# Altium PCB AMS_Master_A1.PcbDoc (part 1 of 2) (continued)
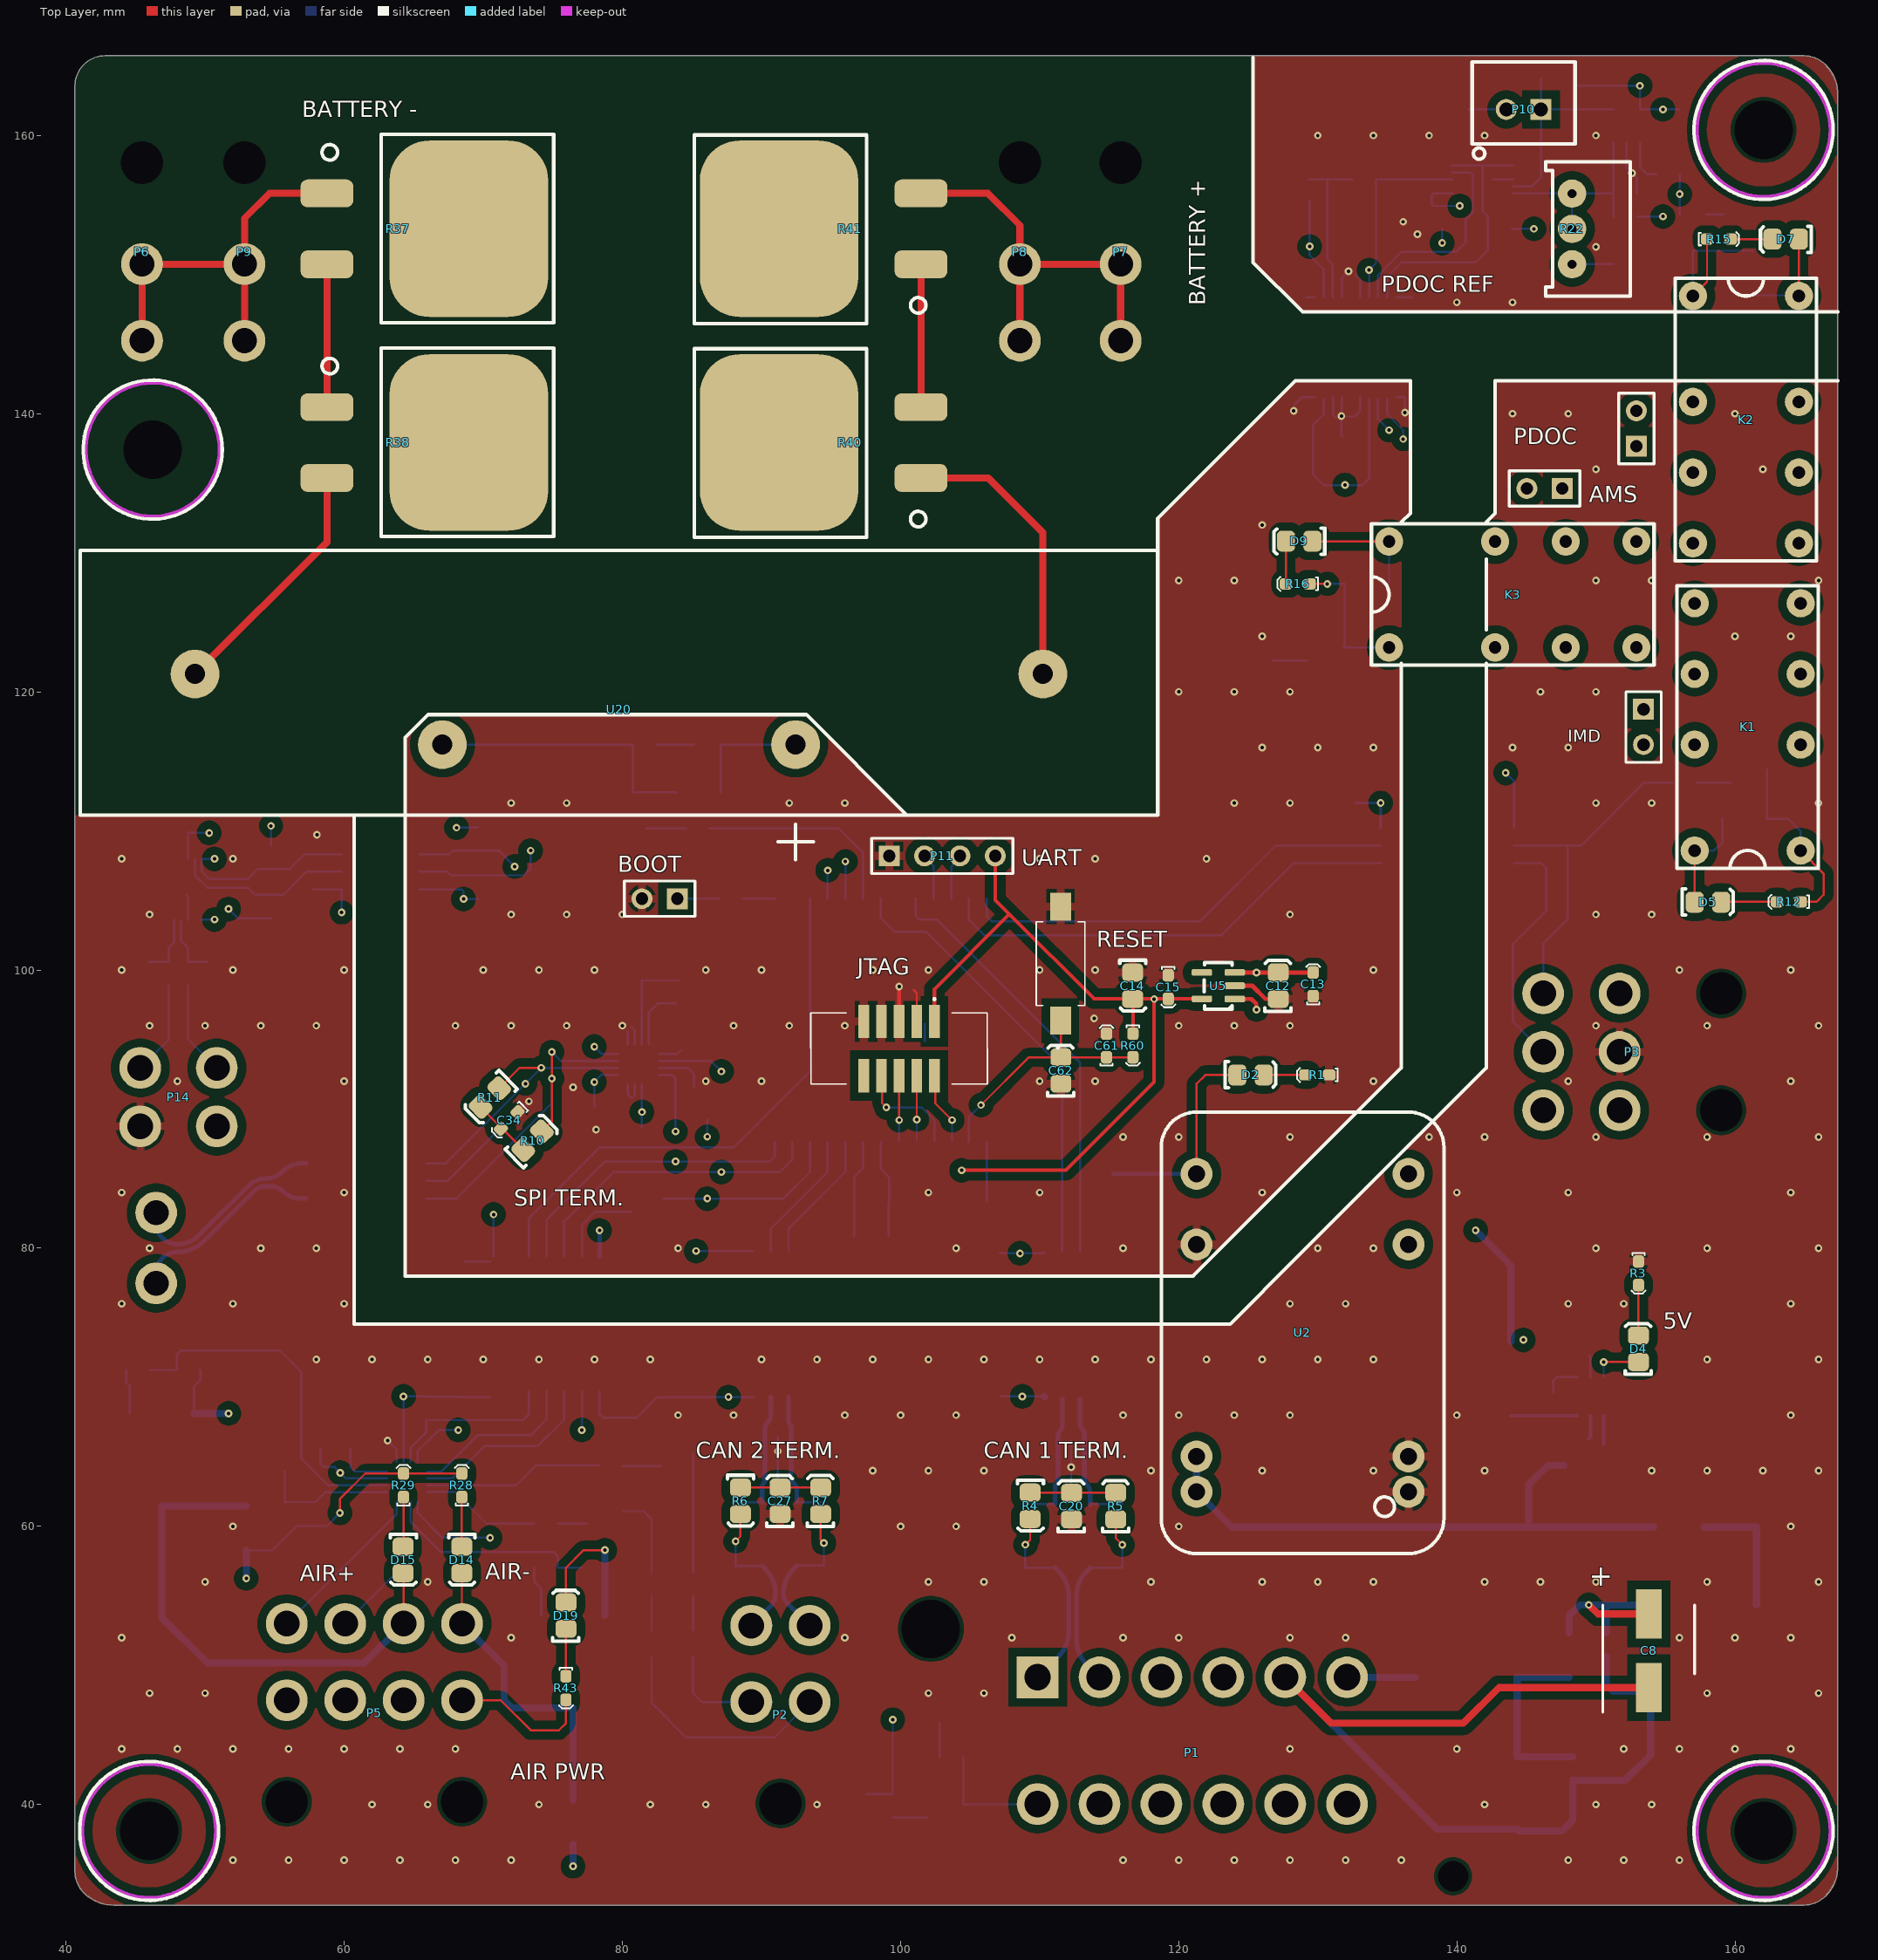
[diagram p0: Top Layer view]
## Components (designator, comment, footprint, x,y, rotation, side; value= is the part's Value field where it differs from the comment) (continued)
PDOC "2.54mm" "TH 2.54mm Header 1x2" 152.908,137.668 r90 top
Q1 "SQ2308CES-T1_GE3" "VSHY SOT-23-3" 161.006,114.427 r0 bottom
Q2 "SQ2308CES-T1_GE3" "VSHY SOT-23-3" 156.972,153.035 r270 bottom
Q3 "SQ2308CES-T1_GE3" "VSHY SOT-23-3" 130.556,123.19 r0 bottom
Q4 "STD70N10F4" "STM TO-252 MOSFET" 76.49,46.594 r180 bottom
Q5 "STD70N10F4" "STM TO-252 MOSFET" 46.94,61.118 r180 bottom
Q6 "SQ2308CES-T1_GE3" "VSHY SOT-23-3" 103.251,40.005 r0 bottom
Q7 "SQ2308CES-T1_GE3" "VSHY SOT-23-3" 80.772,111.476 r90 bottom
Q9 "SQ2308CES-T1_GE3" "VSHY SOT-23-3" 83.79,65.278 r0 bottom
Q10 "SQ2308CES-T1_GE3" "VSHY SOT-23-3" 78.74,61.146 r0 bottom
R1 "1.2k" 0603 130.815,92.456 r180 top
R2 "10k" 0603 88.695,105.124 r180 bottom
R3 "1.2k" 0603 153.061,79.043 r270 top
R4 "56R" 0805 109.347,61.468 r270 top
R5 "56R" 0805 115.443,61.468 r90 top
R6 "56R" 0805 88.519,61.825 r270 top
R7 "56R" 0805 94.234,61.849 r90 top
R8 "680R" 0805 84.127,98.31 r90 bottom
R9 "680R" 0805 81.46,100.215 r90 bottom
R10 "51R" 0805 73.533,87.757 r45 top
R11 "51R" 0805 70.485,90.805 r225 top
R12 "1k" 0603 164.719,104.902 r180 top
R13 "680R" 0603 155.526,113.477 r0 bottom
R14 "680R" 0603 154.322,157.226 r0 bottom
R15 "1k" 0603 157.988,152.553 r0 top
R16 "1k" 0603 129.413,127.762 r180 top
R17 "680R" 0603 125.046,122.24 r0 bottom
R18 "2K" 0603 148.59,161.874 r90 bottom
R19 "1.2k" 0603 65.913,67.642 r90 bottom
R20 "10k" 0603 140.843,163.576 r270 bottom
R21 "10k" 0603 151.262,154.178 r0 bottom
R22 "10K (Var)" "B 3296" 148.844,153.203 r270 top
R23 "10k" 0603 152.962,150.749 r180 bottom
R24 "5.1k" 0603 142.24,153.289 r0 bottom
R25 "5.1k" 0603 140.638,153.289 r180 bottom
R26 "20K" 0603 132.485,156.845 r0 bottom
R27 "10k" 0603 127.713,156.845 r0 bottom
R28 "1.2k" 0603 68.458,62.103 r90 top
R29 "1.2k" 0603 64.262,62.103 r90 top
R30 "1.2k" 0603 102.821,43.434 r0 bottom
R31 "500R" 0603 75.36,57.023 r180 bottom
R32 "500R" 0603 46.023,71.247 r180 bottom
R33 "500R" 0603 99.441,40.755 r270 bottom
R34 "20K" 0603 77.04,57.023 r0 bottom
R35 "20K" 0603 47.957,71.247 r0 bottom
R36 "20K" 0603 97.536,40.755 r270 bottom
R37 "PWR263S-35-1001J" "B TO-263" 68.961,153.289 r270 top value=1k
R38 "PWR263S-35-1001J" "B TO-263" 68.961,137.922 r270 top value=1k
R39 "1k" 0603 80.772,116.205 r0 bottom
R40 "PWR263S-35-1001J" "B TO-263" 91.273,137.922 r90 top value=1k
R41 "PWR263S-35-1001J" "B TO-263" 91.273,153.289 r90 top value=1k
R42 "680R" 0603 86.282,110.176 r180 bottom
R43 "1.2k" 0603 75.946,49.224 r270 top
R44 "1.2k" 0603 57.658,61.722 r270 bottom
R49 "680R" 0603 85.09,56.691 r270 bottom
R50 "680R" 0603 78.31,64.389 r0 bottom
R51 "680R" 0603 82.101,56.691 r270 bottom
R52 "680R" 0603 73.66,60.198 r0 bottom
R53 "1k" 0603 48.768,98.884 r90 bottom
R54 "1k" 0603 47.371,98.884 r90 bottom
R55 "5.1k" 0603 69.596,106.807 r270 bottom
R56 "5.1k" 0603 69.596,108.585 r90 bottom
R57 "5.1k" 0603 54.733,107.262 r90 bottom
R58 "5.1k" 0603 54.733,105.406 r270 bottom
R60 "10k" 0603 116.713,95.426 r270 top
U1 "ESP32-C6-WROOM-1-N8" ESP32-C6-WROOM-1-N8 102.207,96.374 r90 bottom
U2 "JTC0424S05" "24-DIP Module, 7 Leads" 128.905,73.914 r90 top
U3 "744272121" "Wurth 4-PC Pad" 161.544,48.136 r180 bottom value="120uH @ 100kHz"
U4 "LMR50410Y5FQDBVRQ1" TI-SOT23-6 149.606,69.32 r270 bottom
U5 "TLV70033-Q1" "TI SOT-23-5" 124.028,97.922 r90 top
U6 "ISO1042" TI-SOIC-8 112.268,74.549 r270 bottom
U7 "B82787C0104H002" "TDK 4-PC Pad" 113.625,57.023 r90 bottom value="100µH @ 100kHz"
U8 "NUP2105L" "ON SOT-23" 112.268,65.151 r180 bottom
U9 "ISO1042" TI-SOIC-8 91.313,74.549 r270 bottom
U10 "B82787C0104H002" "TDK 4-PC Pad" 92.543,57.172 r90 bottom value="100µH @ 100kHz"
U11 "NUP2105L" "ON SOT-23" 91.186,65.405 r180 bottom
U12 "LTC6820" WFQN-16 81.153,93.218 r180 bottom
U13 "HX1188NLT" HX1188NL 61.595,88.011 r0 bottom
U14 "ADuM225N" AD-SOIC-8W 139.319,108.319 r180 bottom
U15 "ADum1401" "AD 16-SOIC" 76.454,74.549 r0 bottom
U16 "TS391ILT" "ON SOT-23-5" 153.787,158.537 r180 bottom
U17 "ADS1115" "TI 10-VSSOP" 141.859,156.845 r180 bottom
U18 "ADM3260" "AD 20-SSOP" 132.715,144.78 r180 bottom
U19 "ADS7028" WFQN-16 64.528,63.193 r90 bottom
U20 "3350-1275-056" "CI SPST" 79.756,116.205 r0 top
U23 "ADS1115" "TI 10-VSSOP" 48.768,105.791 r90 bottom
U24 "ISO1540DR" "TI 8-SOIC" 69.494,108.331 r0 bottom
UART "PTS636_SM43_SMTR_LFS" PTS636SM43SMTRLFS 111.506,100.457 r90 top (schematic designator S1)
X1 "32.768kHz" "EPSON 2-SMD" 97.917,83.185 r180 bottom

## Footprints (in the part's own frame and the unit in brackets; to place one, negate y for a bottom-side part, rotate by r counter-clockwise, add the part's x,y. Pads: shape width x height; smd on the part's side, far side on the other; paste and mask are expansions set on the pad)
"24-DIP Module, 7 Leads" [mm]
  round 2.3 hole 1.2: 2(-11.43,-7.62) 3(-8.89,-7.62) 9(6.35,-7.62) 11(11.43,-7.62) 14(11.43,7.62) 16(6.35,7.62) 22(-8.89,7.62) 23(-11.43,7.62)
  silkscreen extent -15.88,-10.16 15.88,10.16, body extent -15.87,-10.16 15.87,10.16, height 10.41
0603 [mm]
  rrect50% 0.9x0.8 smd: 1(0,0) 2(1.7,0)
  silkscreen extent -0.6,-0.5 2.3,0.5, body extent 0.05,-0.42 1.65,0.43, height 0.6
0805 [mm]
  rrect50% 1.3x1.5 smd: 1(-0.962,-0.026) 2(0.938,-0.026)
  silkscreen extent -1.85,-0.95 1.8,0.93, body extent -1,-0.65 1,0.66, height 0.73
"0805 LED" [mm]
  rrect50% 1.3x1.5 smd: A(-0.962,-0.026) K(0.938,-0.026)
  silkscreen extent -1.85,-0.95 1.8,0.93, body extent -1.09,-0.63 0.91,0.62, height 1
1812 [mm]
  rrect50% 2.2x3.5 smd: 1(-1.8,0) 2(1.8,0)
  silkscreen extent -3.25,-1.75 3.25,1.75, body extent -2.25,-1.6 2.25,1.6, height 2.5
2920 [mm]
  rrect50% 2.3x5.6 smd: 1(0,0) 2(7.3,0)
  silkscreen extent -1.4,-3 9,3, body extent -0.34,-2.81 7.64,2.81, height 1.14
3221-10-0300-00 [mm]
  rect 0.76x2.4 smd: 1(-2.54,-1.95) 2(-2.54,1.95) 3(-1.27,-1.95) 4(-1.27,1.95) 5(0,-1.95) 6(0,1.95) 7(1.27,-1.95) 8(1.27,1.95) 9(2.54,-1.95) 10(2.54,1.95)
  silkscreen extent -6.35,-3.6 6.35,2.55, body extent -6.34,-2.8 6.36,2.8, height 5.25
39293026 [mm]
  round 3 hole 1.8: 1(0,2.54) 2(0,-2.54)
  body extent -3,-5.9 3.2,5.1, height 12.8
39293046 [mm]
  round 3 hole 1.85: 1(0,0) 2(0,5.5) 3(-4.2,0) 4(-4.2,5.5)
  body extent -7.3,-2.1 3.1,8.9, height 3.5
39300020 [mm]
  round 3 hole 1.8: 1(0,0) 2(0,5.5)
  round 1.524 hole 3.05: ""(0,-7.3)
  body extent -2.7,-13.97 3.1,5.97, height 11.4
39300040 [mm]
  round 3 hole 1.85: 1(0,0) 2(0,5.5) 3(-4.2,0) 4(-4.2,5.5)
  round 1.524 hole 3.05: ""(-2.1,-7.3)
  body extent -6.9,-13.87 3.1,6.07, height 11.4
39300060 [mm]
  round 3 hole 1.85: 1(0,0) 2(0,5.5) 3(-4.2,0) 4(-4.2,5.5) 5(-8.4,0) 6(-8.4,5.5)
  round 1.524 hole 3.05: ""(-8.4,-7.3) ""(0,-7.3)
  body extent -11.1,-13.87 3.1,6.07, height 11.4
39300080 [mm]
  round 3 hole 1.85: 1(0,0) 2(0,5.5) 3(-4.2,0) 4(-4.2,5.5) 5(-8.4,0) 6(-8.4,5.5) 7(-12.6,0) 8(-12.6,5.5)
  round 1.524 hole 3.05: ""(-12.6,-7.3) ""(0,-7.3)
  body extent -15.3,-13.9 3.1,6.04, height 11.4
"AD 16-SOIC" [mil]
  rrect50% 28x85 smd: 1(-225,-192.02)
  oval 28x85 smd: 2(-175,-192.02) 3(-125,-192.02) 4(-75,-192.02) 5(-25,-192.02) 6(25,-192.02) 7(75,-192.02) 8(125,-192.02) 9(125,190) 10(75,189.96) 11(25,189.96) 12(-25,189.96) 13(-75,189.96) 14(-125,189.96) 15(-175,191.98) 16(-225,191.98)
  silkscreen extent -257,-138 155,138, body extent -256,-209 156,209, height 104
"AD 20-SSOP" [mm]
  rrect50% 0.4x1.6 smd: 1(-2.925,-3.6) 2(-2.275,-3.6) 3(-1.625,-3.6) 4(-0.975,-3.6) 5(-0.325,-3.6) 6(0.325,-3.6) 7(0.975,-3.6) 8(1.625,-3.6) 9(2.275,-3.6) 10(2.925,-3.6) 11(2.925,3.6) 12(2.275,3.6) 13(1.625,3.6) 14(0.975,3.6) 15(0.325,3.6) 16(-0.325,3.6) 17(-0.975,3.6) 18(-1.625,3.6) 19(-2.275,3.6) 20(-2.925,3.6)
  silkscreen extent -3.5,-2.5 3.5,2.5, body extent -3.64,-3.9 3.56,3.9, height 1.2
AD-SOIC-8W [mm]
  rrect50% 1.7x0.6 smd: 1(-4.8,1.905) 2(-4.8,0.635) 3(-4.8,-0.635) 4(-4.8,-1.905) 5(4.8,-1.905) 6(4.8,-0.635) 7(4.8,0.635) 8(4.8,1.905)
  silkscreen extent -4.93,-3.05 3.55,3.05, body extent -5.16,-3.05 5.16,3.05, height 2.65
"B 3296" [mil]
  round 80 hole 25.2: 1(-103.39,-22) 2(-3.39,-22) 3(96.61,-22)
  silkscreen extent -193,-97 187,143, body extent -191,-97 184,143, height 455
"B TO-263" [mm]
  rrect50% 2x3.8 smd: 1(-2.55,-10.2) 2(2.55,-10.2)
  rrect50% 12.7x11.4 smd: ""(0,0)
  silkscreen extent -6.8,-10.56 6.75,6.1, body extent -5.19,-11.02 5.45,4.83, height 4.8
"CHEMI-CON ELCO" [mm]
  rect 3.55x1.85 smd: 1(-2.65,0) 2(2.65,0)
  silkscreen extent -4.43,-3.3 3.3,3.3, body extent -3.7,-3.4 3.7,3.4, height 6.1
"CI SPST" [mm]
  round 3.5 hole 1.45: 1(30.48,5.08) 2(12.7,0) 3(-12.7,0) 4(-30.48,5.08)
  silkscreen extent -38.73,-8.25 38.73,13.97, body extent -38.1,-4.44 38.1,13.33, height 20.57
DTF15-12P [mm]
  rect 3x3 hole 1.9: 1(0,18.24)
  round 3 hole 1.9: 2(4.45,18.24) 3(8.9,18.24) 4(13.35,18.24) 5(17.8,18.24) 6(22.25,18.24) 7(22.25,9.12) 8(17.8,9.12) 9(13.35,9.12) 10(8.9,9.12) 11(4.45,9.12) 12(0,9.12)
  round 1.524 hole 4.2 unplated mask+0: 13(-7.671,21.717)
  round 1.524 hole 2.2 unplated mask+0: 13(29.87,3.937)
  body extent -10.87,2.62 33.07,24.88, height 35
"EPSON 2-SMD" [mm]
  rrect50% 1x1.8 smd: 1(-1.25,0) 2(1.25,0)
  silkscreen extent -2,-1.2 2,1.2, body extent -1.5,-1 1.5,1, height 1
ESP32-C6-WROOM-1-N8 [mm]
  rect 1.5x0.9 smd: 1(-8.75,5.26) 2(-8.75,3.99) 3(-8.75,2.72) 4(-8.75,1.45) 5(-8.75,0.18) 6(-8.75,-1.09) 7(-8.75,-2.36) 8(-8.75,-3.63) 9(-8.75,-4.9) 10(-8.75,-6.17) 11(-8.75,-7.44) 12(-8.75,-8.71) 13(-8.75,-9.98) 14(-8.75,-11.25) 15(8.75,-11.25) 16(8.75,-9.98) 17(8.75,-8.71) 18(8.75,-7.44) 19(8.75,-6.17) 20(8.75,-4.9) 21(8.75,-3.63) 22(8.75,-2.36) 23(8.75,-1.09) 24(8.75,0.18) 25(8.75,1.45) 26(8.75,2.72) 27(8.75,3.99) 28(8.75,5.26)
  rect 0.8x0.8 smd: 29(-1.505,-0.46) 30(-2.755,0.79) 31(-2.755,-0.46) 32(-2.755,-1.71) 33(-1.505,-1.71) 34(-0.255,-1.71) 35(-0.255,-0.46) 36(-0.255,0.79) 37(-1.505,0.79)
  silkscreen extent -10.05,-12.75 9,12.75, body extent -9.01,-12.8 9.01,12.7, height 3.1
HX1188NL [mm]
  rect 1.6x0.7 smd: 1(-4.35,4.445) 2(-4.35,3.175) 3(-4.35,1.905) 4(-4.35,0.635) 5(-4.35,-0.635) 6(-4.35,-1.905) 7(-4.35,-3.175) 8(-4.35,-4.445) 9(4.35,-4.445) 10(4.35,-3.175) 11(4.35,-1.905) 12(4.35,-0.635) 13(4.35,0.635) 14(4.35,1.905) 15(4.35,3.175) 16(4.35,4.445)
  silkscreen extent -4.47,-6.35 3.15,6.35, body extent -4.7,-6.35 4.7,6.35, height 5.97
NEXPERIA_SOT23 [mm]
  rect 0.95x0.6 smd: 2(-1.175,-0.95) A(-1.175,0.95) K(1.175,0)
  silkscreen extent -1.3,-1.5 0.7,1.92, body extent -1.33,-1.5 1.33,1.5, height 1.1
"NXP SOD123W" [mm]
  rrect50% 1.1x1.3 smd: A(1.6,0) K(-1.6,0)
  silkscreen extent -2.2,-0.73 0.2,1.04, body extent -1.75,-0.95 1.75,0.95, height 1.1
"ON SOT-23" [mm] "NUP2105L"
  rrect50% 0.8x0.9 smd: 1(-0.95,-1) 2(0.95,-1) 3(0,1)
  silkscreen extent -1.75,-0.65 1.75,0.75, body extent -1.5,-1.28 1.5,1.27, height 1
"ON SOT-23-5" [mil]
  rrect50% 19x58 smd: 1(24.61,38.39) 2(62.01,38.39) 3(99.41,38.39) 4(99.41,131.39) 5(24.61,131.39)
  silkscreen extent -5,39 128,128, body extent 2,27 122,145, height 57
PTS636SM43SMTRLFS [mm]
  rect 2x1.5 smd: 1(-4.1,0) 2(4.1,0)
  silkscreen extent -6.1,-1.75 3,1.75, body extent -3.47,-1.75 3.63,1.75, height 4.3
SRN3015TA-4R7M [mm]
  rrect25% 1.5x3.6 smd: 1(-1.525,0) 2(1.525,0)
  silkscreen extent -2.1,-0.05 -2,0.05, body extent -1.46,-1.47 1.61,1.47, height 1.4
"ST SMB DIODE" [mm]
  rrect50% 2.5x2.5 smd: A(2.6,0) K(-2.6,0)
  silkscreen extent -4.28,-2.12 4.17,2.08, body extent -2.88,-1.99 2.72,1.95, height 2.5
"STM TO-252 MOSFET" [mm]
  rrect50% 6.7x6.7 smd: D(0.05,0.35)
  oval 1.6x3 smd: G(2.35,7) S(-2.25,7)
  silkscreen extent -3.75,-3.4 3.75,4.5, body extent -3.33,-2.67 3.39,7.75, height 2.39
"TDK 4-PC Pad" [mm]
  rrect50% 1.35x0.9 smd: 1(0,-2.5) 2(0,0) 3(4.55,0) 4(4.55,-2.5)
  silkscreen extent -1,-3.2 5.5,0.7, body extent -0.02,-2.82 4.48,0.38, height 2.8
"TH 2.54mm Header 1x2" [mm]
  rect 1.5x1.5 hole 0.9: 1(0,0)
  round 1.5 hole 0.9: 2(2.54,0)
  silkscreen extent -1.27,-1.27 3.81,1.27, body extent -1.27,-1.27 3.81,1.27, height 9.5
"TH 2.54mm Header 1x4" [mm]
  rect 1.5x1.5 hole 0.9: 1(0,0)
  round 1.5 hole 0.9: 2(2.54,0) 3(5.08,0) 4(7.62,0)
  silkscreen extent -1.27,-1.27 8.89,1.27, body extent -1.27,-1.27 8.89,1.27, height 9.5
"TI 2-DIL" [mil]
  round 80 hole 35.43: 1(-350,-150) 4(-50,-150) 6(150,-150) 8(350,-150) 9(350,150) 11(150,150) 13(-50,150) 16(-350,150)
  silkscreen extent -400,-200 400,200, body extent -398,-197 398,197, height 450
"TI 8-SOIC" [mm]
  oval 1.4x0.6 smd: 1(-9.677,2.54) 2(-9.677,1.27) 3(-9.677,0) 4(-9.677,-1.27) 5(-4.089,-1.27) 6(-4.089,0) 7(-4.089,1.27) 8(-4.089,2.54)
  silkscreen extent -8.74,-1.78 -5.03,3.17, body extent -9.96,-1.87 -3.76,3.14, height 1.76
"TI 10-VSSOP" [mm]
  rrect50% 1.45x0.3 smd mask+0.05: 1(-2.2,1) 2(-2.2,0.5) 3(-2.2,0) 4(-2.2,-0.5) 5(-2.2,-1) 6(2.2,-1) 7(2.2,-0.5) 8(2.2,0) 9(2.2,0.5) 10(2.2,1)
  silkscreen extent -1.25,-1.5 1.25,1.5, body extent -2.45,-1.5 2.45,1.5, height 1.12
"TI SOT-23-5" [mil]
  rrect50% 19x58 smd: 1(0,0) 2(37.4,0) 3(74.8,0) 4(74.8,93) 5(0,93)
  silkscreen extent -30,8 103,86, body extent -23,-12 97,106, height 57
TI-SOIC-8 [mm]
  rrect50% 1.95x0.6 smd: 1(-5.25,1.905) 2(-5.25,0.635) 3(-5.25,-0.635) 4(-5.25,-1.905) 5(5.25,-1.905) 6(5.25,-0.635) 7(5.25,0.635) 8(5.25,1.905)
  silkscreen extent -5.37,-3 3.88,3, body extent -5.75,-3 5.75,3, height 2.8
TI-SOT23-6 [mm]
  rect 1x0.6 smd: 1(-1.375,0.95) 2(-1.375,0) 3(-1.375,-0.95) 4(1.375,-0.95) 5(1.375,0) 6(1.375,0.95)
  silkscreen extent -1.5,-1.55 0.5,1.92, body extent -1.5,-1.53 1.5,1.53, height 1.45
"VSHY SOT-23-3" [mm] "SOT23, 3-Leads, Body 2.92x2.37mm, Pitch 0.95mm, IPC Low Density"
  rrect50% 1.2x0.65 smd: D(1.3,0) G(-1.3,0.95) S(-1.3,-0.95)
  silkscreen extent -1.42,-1.5 0.7,1.95, body extent -1.32,-1.52 1.32,1.52, height 1.12
WFQN-16 [mm]
  rect 0.8x0.25 smd: 1(-1.45,0.75) 2(-1.45,0.25) 3(-1.45,-0.25) 4(-1.45,-0.75) 9(1.45,-0.75) 10(1.45,-0.25) 11(1.45,0.25) 12(1.45,0.75)
  rect 0.25x0.8 smd: 5(-0.75,-1.45) 6(-0.25,-1.45) 7(0.25,-1.45) 8(0.75,-1.45) 13(0.75,1.45) 14(0.25,1.45) 15(-0.25,1.45) 16(-0.75,1.45)
  rect 1.68x1.68 smd: 17(0,0)
  silkscreen extent -2.48,-1.7 1.7,1.7, body extent -1.6,-1.6 1.6,1.6, height 0.8
"Wurth 4-PC Pad" [mm]
  rrect50% 2.7x2.7 smd: 1(7.62,6.22) 2(0,6.22) 3(0,0) 4(7.62,0)
  silkscreen extent -1.7,-1.8 9.4,8, body extent -1.19,-1.24 8.81,7.46, height 6.2
"XH 2 PIN VERT" [mm]
  round 1.508 hole 1: 1(1.25,0.127)
  rect 1.508x1.508 hole 1: 2(-1.25,0.127)
  silkscreen extent -3.7,-3.3 3.7,3.71, body extent -3.61,-3.24 3.61,2.6, height 7.21

## Part data
AMS BOOT IMD PDOC: library part "TH 2.54mm Header 1x2", Angle=0, Contact=NA, Flange=No, Part Number="TH 2.54mm Header 1x2", Pitch=2.54mm, Positions=2, Row Spacing=2.54mm
C1 C20 C27: library part GRM21BR61A226ME51L, Digikey Part Number=490-10511-1-ND, Manufacturer=muRata, Rated Voltage=10V, Temperature Rating=X5R, Tolerance=20%, Material=MLCC, Part Number=GRM21BR61A226ME51L
C2 C12 C14 C58 C62: library part GCM21BR71H105KA03L, Digikey Part Number=490-10675-1-ND, Manufacturer=muRata, Rated Voltage=50V, Temperature Rating=X7R, Tolerance=±10%, Material=MLCC, Part Number=GCM21BR71H105KA03L
C3 C4 C17 C45 C49: library part GRM21BR6YA106KE43L, Digikey Part Number=490-10514-6-ND, Manufacturer=muRata, Rated Voltage=50V, Temperature Rating=X5R, Tolerance=10%, Material=MLCC, Part Number=GRM21BR6YA106KE43L
C5 C6 C7 C10 C13 C15 C16 C18 C19 C25 C26 C32 C33 C34 C36 C37 C38 C39 C40 C41 C42 C43 C44 C47 C48 C50 C52 C53 C54 C55 C56 C57 C59 C60 C61: library part GCM188L81H104KA57D, Digikey Part Number=490-6049-1-ND, Manufacturer=muRata, Rated Voltage=50V, Temperature Rating=X8L, Tolerance=±10%, Material=MLCC, Part Number=GCM188L81H104KA57D
C8: library part HHXA350ARA470MF61G, Manufacturer=Chemi-Con, Rated Voltage=35V, Temperature Rating=125C, Tolerance=20%, Material="Aluminium Electrolytic", Part Number=HHXA350ARA470MF61G
C9: library part GRM21BR61A226ME51L, Digikey Part Number=490-10511-1-ND, Manufacturer=muRata, Rated Voltage=50V, Temperature Rating=X5R, Tolerance=20%, Material=MLCC, Part Number=GRM21BR61A226ME51L
C11: library part GRM21BR71E225KE11L, Digikey Part Number=490-14467-2-ND, Manufacturer="Murata Electronics", Rated Voltage=25V, Temperature Rating=X7R, Tolerance=±10%, Material=MLCC, Part Number=GRM21BR71E225KE11L
C21 C22 C23 C24 C28 C29 C30 C31: library part GRM1885C1H101JA01D, Digikey Part Number=490-1427-1-ND, Manufacturer="Murata Electronics", Rated Voltage=50V, Temperature Rating="C0G, NP0", Tolerance=±5%, Material=MLCC, Part Number=GRM1885C1H101JA01D
C35 C46 C51: library part GCM188L81H103KA03D, Digikey Part Number=490-GCM188L81H103KA03DCT-ND, Manufacturer=muRata, Rated Voltage=50V, Temperature Rating=X8L, Tolerance=±10%, Material=MLCC, Part Number=GCM188L81H103KA03D
C65 C66: library part GRM0335C1H220JA01D, Digikey Part Number=490-6123-1-ND, Manufacturer="Murata Electronics", Rated Voltage=50V, Temperature Rating="C0G, NP0", Tolerance=±5%, Material=MLCC, Part Number=GRM0335C1H220JA01D
D1 D6 D8 D10 D11 D12 D18: Breakdown Voltage="100 V", Digikey Part Number=1727-PMEG100T10ELR-QXCT-ND, Forward Voltage="0.75 V @ 1A", Manufacturer="Nexperia USA Inc.", Rated Power="680 mW", Part Number=PMEG100T10ELR-QX
D2 D4: library part SML-211DTT86, "Orange LED Indication - Discrete 1.75V 0805 (2012 Metric)", Digikey Part Number=511-1291-1-ND, Manufacturer="ROHM Semiconductor", Colour=Orange, Part Number=SML-211DTT86
D3: Breakdown Voltage="30.8 V", Digikey Part Number=497-10804-1-ND, Manufacturer=STMicroelectronics, Rated Power=600W, Forward Voltage="30.8 V", Part Number=SM6T36CAY
D5 D7 D9 D17: library part SML-210FTT86, "Green LED Indication - Discrete 1.75V 0805 (2012 Metric)", Digikey Part Number=511-1285-1-ND, Manufacturer="ROHM Semiconductor", Colour=Green, Digikey Link=https://www.digikey.com/product-detail/en/rohm-semiconductor/SML-210FTT86/511-1285-1-ND/637098, Part Number=SML-210FTT86
D13 D14 D15 D19: library part SML-210LTT86, "Red LED Indication - Discrete 1.75V 0805 (2012 Metric)", Digikey Part Number=511-1286-1-ND, Manufacturer="ROHM Semiconductor", Colour=Red, Part Number=SML-210LTT86
D16 D20: Breakdown Voltage=250V, Forward Voltage=1.0V, Manufacturer="Nexperia USA Inc.", Rated Power=250mW, Part Number=BAS-21
D21 D22: library part SML-211YTT86, "Yellow LED Indication - Discrete 1.75V 0805 (2012 Metric)", Digikey Part Number=511-1293-1-ND, Manufacturer="ROHM Semiconductor", Colour=Yellow, Part Number=SML-211YTT86
D23: Breakdown Voltage=4.7V, Digikey Part Number=MMBZ5230BLT1GOSTR-ND, Manufacturer=onsemi, Rated Power=225mW, Part Number=MMBZ5230BLT1G
F1: "PTC RESET FUSE 60V 1A 292", Digikey Part Number=507-2070-1-ND, Manufacturer="Littelfuse Inc.", Digikey Link=https://www.digikey.com/product-detail/en/bel-fuse-inc/0ZCF0100AF2A/507-2070-1-ND/6210547, Part Number=0ZCF0100AF2A
JTAG: library part "SMD 1.27mm Header 2x5 (3221-10-0300-00)", Angle=0, Contact=NA, Flange=No, Part Number="SMD 1.27mm Header 2x5 (3221-10-0300-00)", Pitch=1.27mm, Positions=10, Row Spacing=1.27mm
K1 K2 K3: "RELAY GEN PURPOSE DPDT 3A 5V", Digikey Part Number=2449-J104A2C5VDC.40S-ND, Manufacturer="CIT Relay and Switch", Digikey Link=https://www.digikey.com.au/en/products/detail/cit-relay-and-switch/J104A2C5VDC-40S/14002119, Part Number=J104A2C5VDC.40S
L1: library part RLS-126, Digikey Part Number=945-3429-ND, Manufacturer=Recom, Rated Current="0.8 A", Tolerance=0.2, Impedance=230mOhm, Material=Wirewound, Part Number=RLS-126
L2: library part SRN4018-4R7M, Digikey Part Number=SRN3015TA-4R7MCT-ND, Manufacturer=Bourns, Rated Current=1.9A, Tolerance=0.2, Impedance=84mOhms, Material=Wirewound, Part Number=SRN4018-4R7M
P1: Digikey Part Number=1734-1647-ND, Angle=0, Contact="Copper Alloy", Digikey Link=https://www.digikey.com.au/product-detail/en/te-connectivity-deutsch-connectors/DTF15-12PA/1734-1647-ND/7220164, Flange=No, Part Number=DTF15-12P, Pitch=4.44mm, Positions=12, Row Spacing="9.12 mm"
P2: Digikey Part Number=WM21352-ND, Angle=90, Contact=Tin, Flange=No, Part Number=39300040, Pitch=4.2mm, Positions=4, Row Spacing=5.5mm
P3: Digikey Part Number=WM21353-ND, Angle=90, Contact=Tin, Flange=No, Part Number=39300060, Pitch=4.2mm, Positions=6, Row Spacing=5.5mm
P4: Digikey Part Number=WM3843-ND, Angle=0, Contact=Tin, Flange=No, Part Number=39293026, Pitch=4.2mm, Positions=2, Row Spacing=5.5mm
P5: Digikey Part Number=WM21354-ND, Angle=90, Contact=Tin, Flange=No, Part Number=39300080, Pitch=4.2mm, Positions=8, Row Spacing=5.5mm
P6 P7 P8 P9: Digikey Part Number=WM21351-ND, Angle=90, Contact=Tin, Flange=No, Part Number=39300020, Pitch=4.2mm, Positions=2, Row Spacing=5.5mm
P10: Digikey Part Number=455-2247-ND, Angle=0, Contact=Tin, Digikey Link=https://www.digikey.com.au/en/products/detail/jst-sales-america-inc/B2B-XH-A-LF-SN/1651045, Flange=No, Part Number=B2B-XH-A(LF)(SN), Pitch=2.54mm, Positions=2, Row Spacing=2.54mm
P11: library part "TH 2.54mm Header 1x4", Angle=0, Contact=NA, Flange=No, Part Number="TH 2.54mm Header 1x4", Pitch=2.54mm, Positions=4, Row Spacing=2.54mm
P14: Digikey Part Number=WM3844-ND, Angle=0, Contact=Tin, Flange=No, Part Number=39293046, Pitch=4.2mm, Positions=4, Row Spacing=5.5mm
Q1 Q2 Q3 Q6 Q7 Q9 Q10: "MOSFET N-CH 60V 2.3A SOT23", Digikey Part Number=SQ2308CES-T1_GE3CT-ND, Manufacturer="Vishay Siliconix", Rated Power=2W, LatestRevisionDate=29-May-2009, LatestRevisionNote="IPC-7351 Footprint Added.", PackageDescription="4-Pin SOT-343 Package 1.3 mm Pitch, 2.1 mm Lead Span", PackageReference=SOT-343, PackageVersion=Sep-2000, Part Number=SQ2308CES-T1_GE3, Published=24-Mar-1999, Publisher="Altium Limited", Type=N-channel
Q4 Q5: "N-Channel 100V 60A (Tc) 125W (Tc) Surface Mount DPAK", Digikey Part Number=497-8806-2-ND, Manufacturer=STMicroelectronics, Rated Power=125W, LatestRevisionDate=29-May-2009, LatestRevisionNote="IPC-7351 Footprint Added.", PackageDescription="4-Pin SOT-343 Package 1.3 mm Pitch, 2.1 mm Lead Span", PackageReference=SOT-343, PackageVersion=Sep-2000, Part Number=STD70N10F4, Published=24-Mar-1999, Publisher="Altium Limited", Type=N-channel
R1 R3 R19 R28 R29 R30 R43 R44: library part RC0603JR-071K2L, Digikey Part Number=311-1.2KGRCT-ND, Manufacturer=YAGEO, Rated Power=0.1W, Tolerance=0.01, Material=FR-07, Part Number=RC0603JR-071K2L
R2 R20 R21 R23 R27 R60: library part RC0603FR-0710KL, Digikey Part Number=311-10.0KHRCT-ND, Manufacturer=YAGEO, Rated Power=0.1W, Tolerance=0.01, Material=FR-07, Part Number=RC0603FR-0710KL
R4 R5 R6 R7: library part RC0805FR0756RL, Digikey Part Number=311-56.0CRCT-ND, Manufacturer=YAGEO, Rated Power=0.125W, Tolerance=0.01, Material=FR-07, Part Number=RC0805FR0756RL
R8 R9: library part RC0805FR07680RL, Digikey Part Number=311-680CRCT-ND, Manufacturer=YAGEO, Rated Power=0.125W, Tolerance=0.01, Material=FR-07, Part Number=RC0805FR07680RL
R10 R11: library part RC0805FR0751RL, Digikey Part Number=311-51.0CRCT-ND, Manufacturer=YAGEO, Rated Power=0.125W, Tolerance=0.01, Material=FR-07, Part Number=RC0805FR0751RL
R12 R15 R16 R39 R53 R54: library part RC0603FR-071KL, Digikey Part Number=311-1.00KHRCT-ND, Manufacturer=YAGEO, Rated Power=0.1W, Tolerance=0.01, Material=FR-07, Part Number=RC0603FR-071KL
R13 R14 R17 R42 R49 R50 R51 R52: library part RC0603JR-13680RL, Digikey Part Number=13-RC0603JR-13680RLCT-ND, Manufacturer=YAGEO, Rated Power=0.1W, Tolerance=0.01, Material=FR-07, Part Number=RC0603JR-13680RL
R18: library part RC0603FR-072KL, Digikey Part Number=311-2.00KHRCT-ND, Manufacturer=YAGEO, Rated Power=0.1W, Tolerance=0.01, Material=FR-07, Part Number=RC0603FR-072KL
R22: library part 3296W-1-103LF, Digikey Part Number=3296W-103LF-ND, Manufacturer="Bournes Inc", Rated Power=0.5W, Tolerance=0.1, Part Number=3296W-1-103LF
R24 R25 R55 R56 R57 R58: library part RC0603JR-075K1L, Digikey Part Number=311-5.1KGRCT-ND, Manufacturer=YAGEO, Rated Power=0.1W, Tolerance=0.01, Material=FR-07, Part Number=RC0603JR-075K1L
R26 R34 R35 R36: library part RC0603FR-0720KL, Digikey Part Number=311-20.0KHRCT-ND, Manufacturer=YAGEO, Rated Power=0.1W, Tolerance=0.01, Material=FR-07, Part Number=RC0603FR-0720KL
R31 R32 R33: library part RT0603BRD07500RL, Digikey Part Number=13-RT0603BRD07500RL-ND, Manufacturer=YAGEO, Rated Power=0.1W, Tolerance=0.01, Material=FR-07, Part Number=RT0603BRD07500RL
R37 R38 R40 R41: library part CMP-037-000402-1, Digikey Part Number=PWR263S-35-1001J-ND, Manufacturer="Bournes Inc", Rated Voltage=35W, Tolerance=0.05, Part Number=PWR263S-35-1001J
U1: "RF TXRX MOD BT WIFI PCB TH SMD", Manufacturer=Espressif, Complex IC=1, Part Number=ESP32-C6-WROOM-1-N8
U2: "DC DC CONVERTER 5V 4W", Digikey Part Number=JTC0424S05-ND, Input Voltage=9V-36V, Manufacturer="XP Power", Output Power=4W, Output Voltage=5V, Digikey Link=https://www.digikey.com/products/en?keywords=%20JTC0424S05, Efficiency=0.79, Isolation=Isolated, Part Number=JTC0424S05
U3: Digikey Part Number=732-1489-1-ND, Manufacturer="Wurth Electronics Inc", Rated Current="2.5 A", Impedance="460 Ohms @ 30MHz", Material=Wirewound, Part Number=744272121
U4: library part LMR50410-Q1, "IC REG BUCK 5V 1A SOT23-6", Digikey Part Number=296-LMR50410Y5FQDBVRQ1CT-ND, Input Voltage=4-36V, Manufacturer="Texas Instruments", Output Current=1A, Output Voltage=5V, Part Number=LMR50410-Q1
U5: "IC REG LINEAR 3.3V 200MA SOT23-5", Digikey Part Number=296-27780-1-ND, Input Voltage="2 to 5.5 V", Manufacturer="Texas Instruments", Output Current="0.2 A", Output Voltage="3.3 V", Part Number=TLV70033-Q1
U6 U9: "IC CAN TRANSCEIVER 1/1 8SOIC", Digikey Part Number=296-ISO1042BQDWVQ1-ND, Manufacturer="Texas Instruments", Part Number=ISO1042
U7 U10: Digikey Part Number=495-4598-1-ND, Manufacturer="EPCOS (TDK)", Rated Current=150mA, Impedance="5.8 kOhms @ 10MHz", Material=Wirewound, Part Number=B82787C0104H002
U8 U11: "Dual Line CAN Bus Protector", Digikey Part Number=NUP2105LT1GOSCT-ND, Manufacturer="ON Semiconductor", Digikey Link=https://www.digikey.com/product-detail/en/on-semiconductor/NUP2105LT1G/NUP2105LT1GOSCT-ND/1485001, Part Number=NUP2105L
U12: "isoSPI Transceiver", Manufacturer="Analogue Devices", Part Number=LTC6820
U13: library part HX1188NL, "MODULE XFRMR SGL ETHR LAN 16SOIC", Manufacturer="Analogue Devices", Part Number=HX1188NL
U14: "DIGITAL ISOLATOR, DUAL CHANNEL", Manufacturer="Analogue Devices", Part Number=ADuM225N
U15: library part ADuM1401, "General Purpose Digital Isolator 2500Vrms 4 Channel 1Mbps 25kV/µs CMTI 16-SOIC (0.295\", 7.50mm Width)", Manufacturer="Analog Devices", Complex IC=0, Part Number=ADuM1401
U16: library part CMP-022-000013-1, "IC COMP LO PWR SGL V SOT 23-5L", Part Number=TS391ILT
U17 U23: "16 Bit Analog to Digital Converter 2, 4 Input 1 Sigma-Delta 10-VSSOP", Digikey Part Number=296-38849-1-ND, Manufacturer="Texas Instruments", Part Number=ADS1115
U18: library part CMP-021-000012-1, "I²C Digital Isolator 2500Vrms 2 Channel 25kV/µs CMTI 20-SSOP (0.209\", 5.30mm Width)", Part Number=ADM3260
U19: library part ADS7028IRTER, "IC ADC 12BIT SAR 16WQFN", Manufacturer="Texas Instruments", Digikey Link=https://www.digikey.com.au/en/products/detail/texas-instruments/ADS7028IRTER/12696020?s=N4IgTCBcDaIIIBEDKB2ADGAHASQEoBUBRXEAXQF8g, Digikey Part Number=ADS7028IRTER, Part Number=ADS7028IRTER
U20: "RELAY REED HV SPST 200W 3A 5V (NO)", Digikey Part Number=1835-1036-ND, Manufacturer="Comus International", Digikey Link=https://www.digikey.com.au/product-detail/en/comus-international/3350-1275-056/1835-1036-ND/7515918, Part Number=3350-1275-056
U24: "I2C Digital Isolator (Multichannel)", Digikey Part Number=296-34871-1-ND, Manufacturer="Texas Instruments", Digikey Link=https://www.digikey.com/product-detail/en/texas-instruments/ISO1540DR/296-34871-1-ND/3587214, Part Number=ISO1540DR
UART: "Switch", Arrow Part Number="PTS636 SM43 SMTR LFS", Manufacturer_Name="C & K COMPONENTS", Mouser Part Number=611-PTS636SM43SMTRLF, Arrow Price/Stock=https://www.arrow.com/en/products/pts636-sm43-smtr-lfs/ck, Datasheet Link="https://componentsearchengine.com/Datasheets/1/PTS636 SM43 SMTR LFS.pdf", Height=4.5mm, Manufacturer_Part_Number="PTS636 SM43 SMTR LFS", Mouser Price/Stock=https://www.mouser.co.uk/ProductDetail/CK/PTS636-SM43-SMTR-LFS?qs=vLWxofP3U2xu5raMGkTmHg%3D%3D
X1: library part "FC-135 32.7680KA-A5", Digikey Part Number=SER4103TR-ND, Load Capacitance=12.5pF, Manufacturer=EPSON, Digikey Link=https://www.digikey.com/product-detail/en/epson/FC-135-32.7680KA-A5/SER4103TR-ND/5259895, ESR=70k, Part Number="FC-135 32.7680KA-A5"

## Free pads (board coordinates)
  round 0 hole 4.2 unplated: 0(45.974,38.1) 0(46.228,137.414) 0(162.052,38.1) 0(162.052,160.401)

## Via types
v1: diameter 0.55, hole 0.25, Top Layer to Bottom Layer, 334 vias

## Nets (pads, with @x,y where several pads share a name; then routed paths per layer and width w, separated by ;. In a path a pad name is that pad's centre, name@x,y a point inside that pad or via, vN(x,y) a via of type N, cw(c..) or ccw(c..) an arc to the next point about the centre after c; other vN are vias at no path point)
0V: C3.1 C4.1 C5.1 C11.1 C16.1 C17.1 C18.1 C20.1 C21.1 C22.1 C23.1 C24.1 C25.1 C27.1 C28.1 C29.1 C30.1 C31.1 C36.1 C40.1 C52.1 C53.1 C55.1 C56.1 C58.1 C59.1 C60.1 D13.K D23.K P3.3 P14.1 Q1.S Q6.S Q9.S Q10.S R3.1 R36.2 U2.2 U2.3 U3.3 U4.2 U6.5 U8.3 U9.5 U11.3 U14.4 U15.9 U15.15 U19.9 U23.3 U24.4 | length 12.9
  Bottom Layer w0.152: 48.641,105.41 48.768,105.283 U23.3@48.768,103.591 ; v1(63.119,66.167) 63.778,65.508 U19.9@63.778,64.643 ; 91.1,62.172 91.186,62.258 U11.3@91.186,66.405 ; 112.141,62.865 112.268,62.992 U8.3@112.268,66.151 ; 149.479,72.263 cw(c149.479,72.136) 149.606,72.136 U4.2@149.606,70.695
  other v1: 52,36 56,36 60,36 64,36 68,36 72,36 116,36 120,36 124,36 128,36 132,36 136,36 148,36 152,36 156,36 62,40 66,40 74,40 82,40 86,40 94,40 142,40 150,40 154,40 44,44 48,44 52,44 56,44 60,44 64,44 68,44 128,44 140,44 152,44 156,44 160,44 164,44 46,48 50,48 102,48 106,48 158,48 166,48 44,52 72,52 96,52 108,52 116,52 120,52 128,52 132,52 156,52 160,52 164,52 50,56 66,56 102,56 106,56 118,56 126,56 130,56 134,56 142,56 146,56 150,56 158,56 166,56 52,60 100,60 104,60 120,60 164,60 98,64 102,64 106,64 118,64 126,64 134,64 142,64 154,64 158,64 162,64 166,64 112.268,64.262 91.186,65.405 84,68 88,68 96,68 100,68 104,68 116,68 120,68 124,68 128,68 140,68 164,68 58,72 62,72 66,72 70,72 74,72 78,72 82,72 90,72 94,72 98,72 102,72 106,72 110,72 114,72 118,72 122,72 126,72 130,72 134,72 158,72 166,72 44,76 52,76 60,76 128,76 132,76 148,76 152,76 164,76 46,80 54,80 58,80 130,80 134,80 150,80 158,80 166,80 44,84 60,84 140,84 148,84 164,84 138,88 142,88 150,88 158,88 166,88 48,92 60,92 148,92 164,92 46,96 50,96 54,96 58,96 150,96 158,96 166,96 44,100 52,100 60,100 156,100 164,100 46,104 150,104 154,104 44,108 52,108 58.039,109.728 150,112 154,112 166,112 144,116 148,116 146,120 150,120 160,124 164,124 150,128 154,128 166,128 150,136 162,136 144,140 148,140 160,140
"0V (ISO)": BOOT.2 C1.1 C2.1 C9.1 C12.1 C13.1 C14.1 C15.1 C19.1 C26.1 C32.1 C33.1 C34.1 C35.1 C37.1 C38.1 C48.1 C49.1 C50.1 C51.1 C54.1 C57.1 C61.2 C62.1 C65.1 C66.1 JTAG.3 JTAG.5 JTAG.7 JTAG.9 P11.1 Q3.S Q7.S R1.1 R9.2 U1.1 U1.28 U1.29 U1.30 U1.31 U1.32 U1.33 U1.34 U1.35 U1.36 U1.37 U2.16 U5.2 U6.4 U9.4 U12.1 U12.7 U12.8 U12.13 U12.14 U14.5 U15.2 U15.8 U18.1 U18.5 U18.7 U18.8 U18.10 U24.5 UART.2 | length 27.2
  Top Layer w0.152: 100.965,98.552 101.168,98.349 JTAG.3@101.168,96.305
  Top Layer w0.254: JTAG.5@99.898,96.305 v1(99.898,98.806)
  Top Layer w0.305: U5.2@124.028,98.872 125.283,98.872 126.238,97.917 127.148,97.917 C12.1@127.153,97.922
  Bottom Layer w0.152: 72.468,89.789 72.493,89.789 73.255,90.551 v1(73.279,90.551) ; 80.391,95.631 80.403,95.619 U12.13@80.403,94.668 ; U12.8@80.403,91.768 80.403,91.043 80.615,90.831 80.741,90.831 80.903,90.993 U12.7@80.903,91.768 ; 80.645,95.885 80.903,95.627 U12.14@80.903,94.668 ; U12.1@82.603,93.968 83.935,93.968 84.201,94.234 ; U1.29@101.747,94.869 U1.35@101.747,96.119 ; 128.345,140.664 128.861,141.18 U18.10@129.79,141.18 ; U18.8@131.09,141.18 131.09,139.928 131.318,139.7 ; U18.7@131.74,141.18 131.72,141.159 131.72,139.848 v1(131.699,139.827) ; C49.1@131.79,138.329 131.699,138.42 v1(131.699,139.827) ; U18.5@133.04,141.18 133.04,140.165 132.673,139.798 131.728,139.798 v1(131.699,139.827) ; U18.1@135.64,141.18 136.182,141.18 136.271,141.091 v1(136.271,140.081)
  other v1: 84,80 104,80 116,80 102,84 110,84 126,84 116,88 120,88 128,88 78.105,88.519 76.454,91.567 86,92 90,92 110,92 114,92 134,92 68,96 72,96 76,96 80,96 88,96 92,96 96,96 120,96 124,96 128,96 113.919,96.52 70,100 74,100 78,100 86,100 90,100 98,100 102,100 110,100 114,100 134,100 72,104 76,104 80,104 128,104 110,108 114,108 122,108 72,112 76,112 92,112 96,112 124,112 128,112 126,116 130,116 134,116 120,120 124,120 128,120 126,124 120,128 124,128 126,132 128.27,140.208
"3V3 (ISO)": C9.2 C14.2 C15.2 C57.2 JTAG.1 P11.4 R60.1 U1.2 U5.5 | length 61.9
  Top Layer w0.254: JTAG.1@102.438,96.305 102.438,98.628 107.823,104.013 ; v1(104.394,85.598) 111.887,85.598 118.237,91.948 v1(118.237,97.917) ; P11.4@106.807,108.204 106.807,105.029 107.823,104.013 ; R60.1@116.713,95.426 116.713,97.896 C14.2@116.687,97.922 ; U5.5@121.666,97.922 C15.2@119.253,97.922 C14.2@116.687,97.922 ; 107.823,104.013 113.914,97.922 C14.2@116.687,97.922
  Bottom Layer w0.152: v1(104.394,85.598) C57.2@106.197,85.598 ; C9.2@106.197,83.413 C57.2@106.197,85.598 ; U1.2@106.197,87.644 U1.2@106.197,87.624 C57.2@106.197,85.598
5V: C17.2 C18.2 C25.2 C36.2 C40.2 C55.2 C56.2 C59.2 C60.2 D4.A D5.A D6.K K1.16 L2.1 P5.5 P5.7 P14.2 R19.2 R57.2 R58.2 U4.3 U6.8 U9.8 U14.1 U15.10 U15.16 U19.7 U19.10 U23.8 U24.1 | length 322.7
  Top Layer w0.152: v1(150.556,71.816) D4.A@153.061,71.816 ; D5.A@157.099,104.876 K1.16@157.099,108.585
  Int2 (PWR) w0.152: v1(144.78,73.406) 148.966,73.406 v1(150.556,71.816)
  Int2 (PWR) w0.508: 48.768,63.853 v1(59.719,63.853) ; v1(50.292,109.855) 52.07,109.855 52.578,110.363 v1(54.737,110.363) 56.007,109.093 56.007,105.156 ; P14.2@50.839,88.764 55.889,88.764 56.007,88.646 ; v1(51.685,104.39) 52.451,105.156 56.007,105.156 ; v1(59.817,104.14) 56.007,104.14 ; P5.5@60.071,47.498 P5.7@55.871,47.498 52.705,47.498 48.641,51.562 48.641,68.199 49.784,69.342 56.007,69.342 ; v1(143.51,114.173) 143.51,108.712 ; K1.16@157.099,108.585 143.637,108.585 143.51,108.712 ; 56.007,69.342 56.007,88.646 ; 56.007,69.342 v1(64.262,69.342) v1(108.754,69.342) 129.413,69.342 v1(141.351,81.28) 143.51,83.439 143.51,108.712 ; 56.007,88.646 56.007,104.14 ; 56.007,104.14 56.007,105.156
  Bottom Layer w0.152: U23.8@48.768,107.991 C55.2@48.768,109.855 v1(50.292,109.855) ; v1(51.685,104.39) 52.369,103.706 R58.2@54.733,103.706 ; R57.2@54.733,108.962 54.735,108.964 54.735,110.361 v1(54.737,110.363) ; C56.2@57.785,105.791 U24.1@59.817,105.791 v1(59.817,104.14) ; C59.2@58.293,65.532 58.293,64.516 58.547,64.262 59.309,64.262 60.128,63.443 U19.7@63.078,63.443 ; v1(64.262,69.342) R19.2@65.913,69.342 65.938,69.317 68.428,69.317 C40.2@68.453,69.292 U15.16@70.485,69.292 ; U19.10@64.27,64.651 64.27,67.437 64.262,67.445 64.262,69.326 v1@64.27,69.334 ; U15.10@78.359,69.724 78.359,68.072 78.613,67.818 81.026,67.818 82.507,69.299 C25.2@85.852,69.299 v1(87.63,69.299) U9.8@89.408,69.299 ; C18.2@107.188,69.342 v1(108.754,69.342) U6.8@110.32,69.342 ; v1(143.51,114.173) 144.119,113.564 C36.2@144.119,112.776 U14.1@144.119,110.224 ; U4.3@150.556,70.695 v1(150.556,71.816) ; K1.16@157.099,108.585 158.496,108.585 159.106,109.195 D6.K@159.106,110.871
  Bottom Layer w0.508: U6.8@110.32,69.342 U6.8@110.363,69.299 ; v1(141.351,81.28) 143.891,78.74 143.891,73.279